# Altium PCB motherboard_V1.PcbDoc (continued)
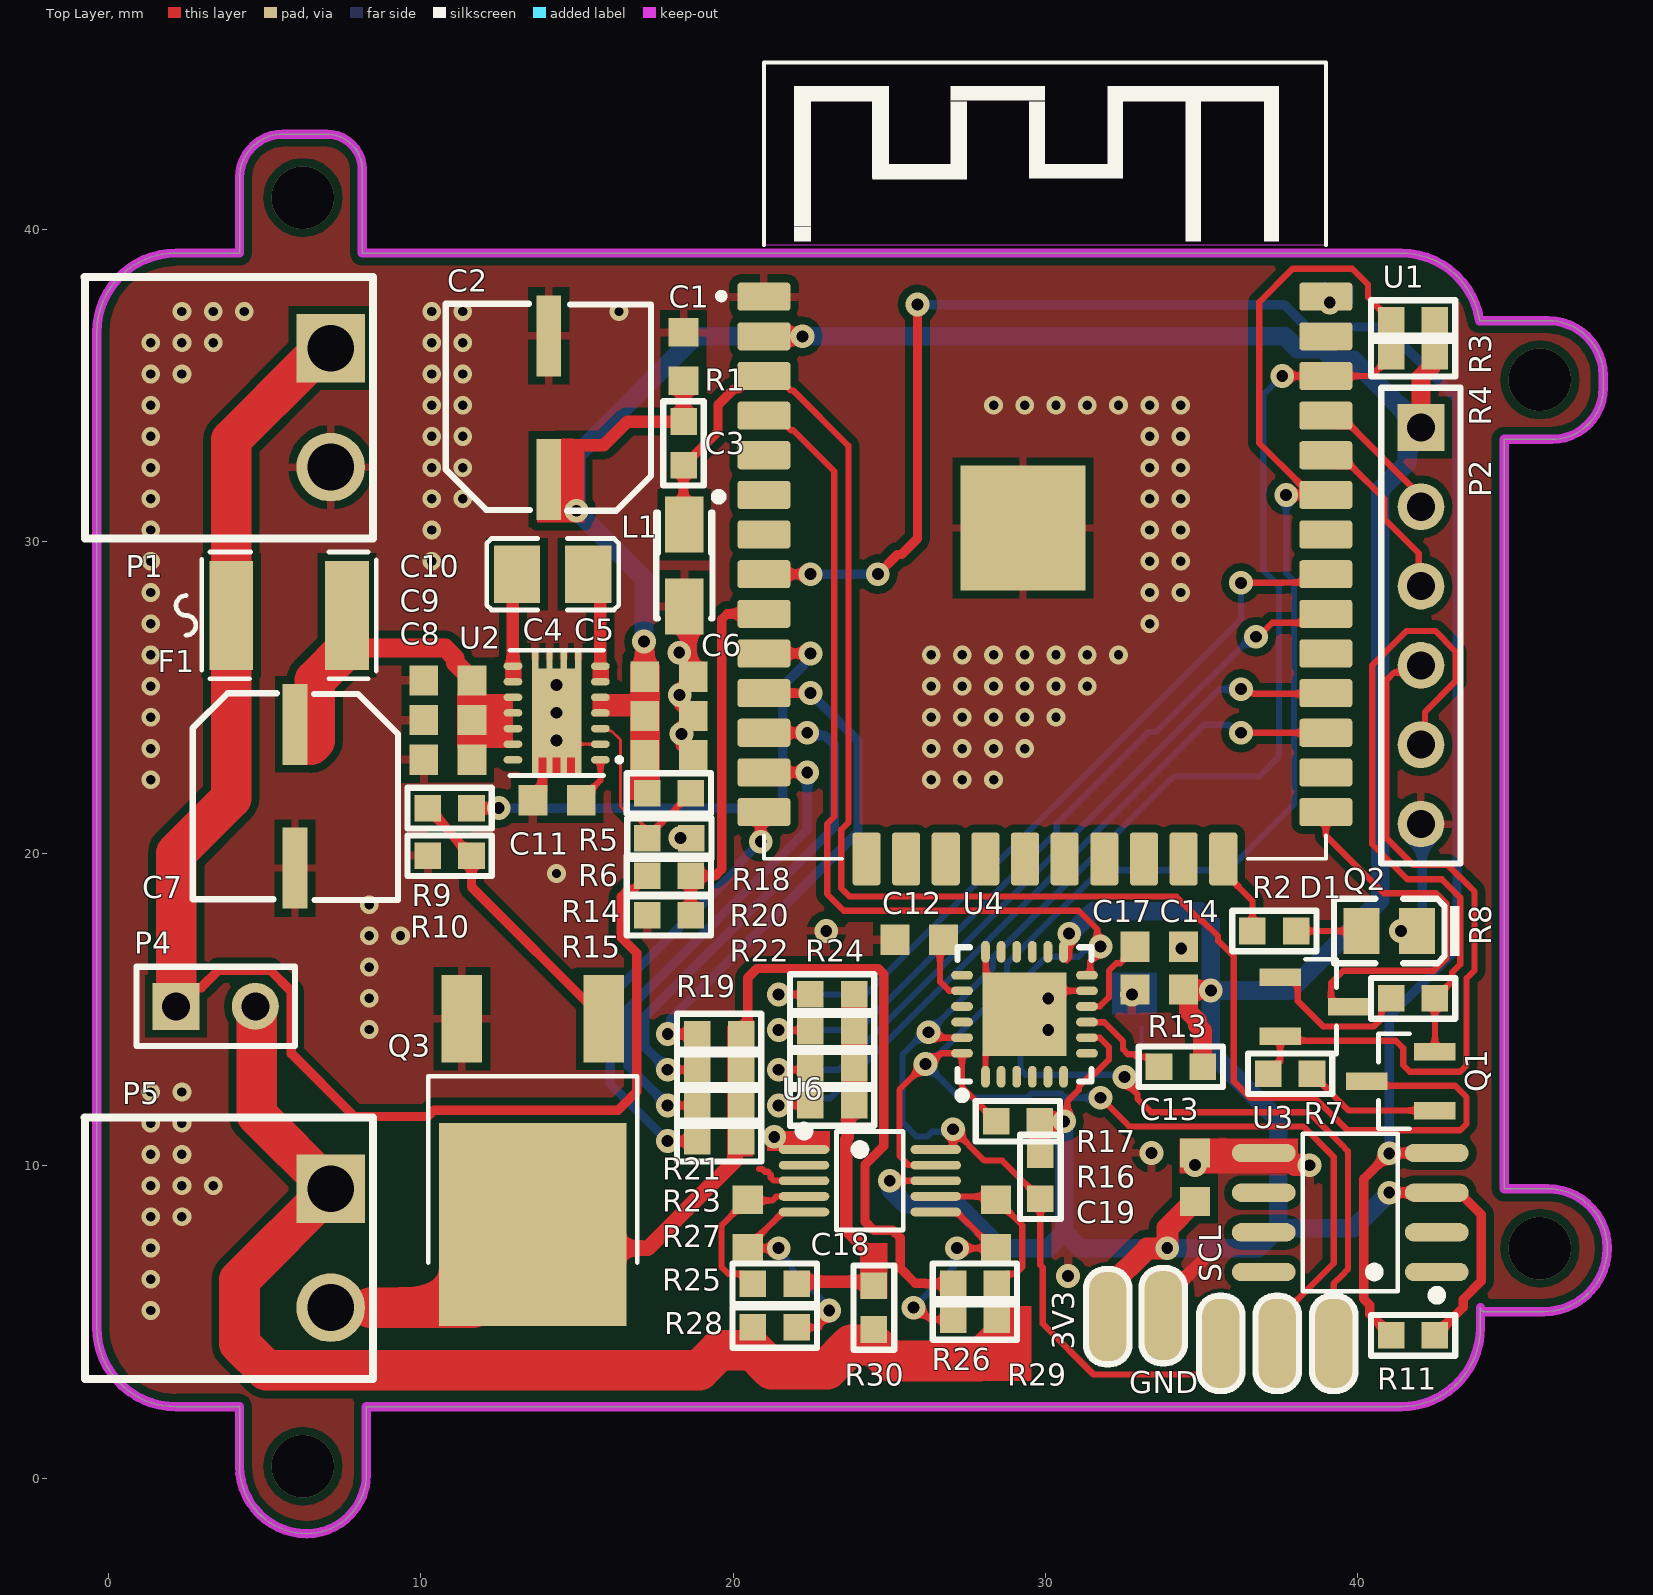
[diagram p0: Top Layer view]
## Part data
C1 C4 C5 C6 C8 C9 C10 C11 C12 C13 C14 C17: library part "CAP - CER 0.1UF 25V X7R 0805", "CAP CER 0.1UF 50V X7R 0603", Case/Package=0603, Manufacturer="FH(Guangdong Fenghua Advanced Tech)", Manufacturer Part Number=0603F104M500NT, Supplier Part Number 1=C42998, Voltage=50V, Capacitance=100nF, Depth=0.8mm, Height=0.8mm, Length=1.6mm, Pricing 1="1=0,10000, 10=0,04400, 50=0,02420, 100=0,01980, 500=0,01412, 1000=0,01110 (USD)", Supplier 1=JLCPCB, Thickness=0.035inch, Voltage Rating=50V, Width=0.031inch
C2: library part "CAP 22UF 63V SMD", "CAP ALUM 22UF 20% 25V SMD", Capacitance=47uF, Case/Package=SMD/SMT, Dielectric Material=Aluminium, Leakage Current=3uA, Manufacturer=Nichicon, Manufacturer Part Number=UWX1E220MCL1GB, Max Operating Temperature=85°C, Min Operating Temperature=-40°C, Package Quantity=1000, Ripple Current=42mA, Supplier Part Number 1=493-2109-1-ND, Tolerance=20%, Voltage=25V, Category="Aluminum Electrolytic Capacitors", ComponentLink1Description=https://datasheet.ciiva.com/96/e-wx-96336.pdf?src-supplier=Digi-Key, ComponentLink1URL=https://datasheet.ciiva.com/96/e-wx-96336.pdf?src-supplier=Digi-Key, ComponentLink2Description=https://datasheet.ciiva.com/16352/e-wx-16352999.pdf?src-supplier=Future+Electronics, ComponentLink2URL=https://datasheet.ciiva.com/16352/e-wx-16352999.pdf?src-supplier=Future+Electronics, ComponentLink3Description=https://datasheet.ciiva.com/28640/e-wx-28640455.pdf?src-supplier=Element14, ComponentLink3URL=https://datasheet.ciiva.com/28640/e-wx-28640455.pdf?src-supplier=Element14, ComponentLink4Description=https://datasheet.ciiva.com/17529/e-wx-17529096.pdf?src-supplier=Avnet+Europe, ComponentLink4URL=https://datasheet.ciiva.com/17529/e-wx-17529096.pdf?src-supplier=Avnet+Europe, ComponentLink5Description=https://datasheet.ciiva.com/7851/59577-7851769.pdf?src-supplier=Element14, ComponentLink5URL=https://datasheet.ciiva.com/7851/59577-7851769.pdf?src-supplier=Element14, ComponentLink6Description=https://datasheet.ciiva.com/11687/e-wx-11687963.pdf?src-supplier=Avnet, ComponentLink6URL=https://datasheet.ciiva.com/11687/e-wx-11687963.pdf?src-supplier=Avnet, ComponentLink7Description=https://datasheet.ciiva.com/96/e-wx-96334.pdf?src-supplier=Digi-Key, ComponentLink7URL=https://datasheet.ciiva.com/96/e-wx-96334.pdf?src-supplier=Digi-Key, ComponentLink8Description=https://datasheet.ciiva.com/5361/e-wx-11809-5361166.pdf?src-supplier=Mouser, ComponentLink8URL=https://datasheet.ciiva.com/5361/e-wx-11809-5361166.pdf?src-supplier=Mouser, ComponentLink9Description=https://datasheet.ciiva.com/96/e-wx-96335.pdf?src-supplier=Digi-Key, ComponentLink9URL=https://datasheet.ciiva.com/96/e-wx-96335.pdf?src-supplier=Digi-Key, Construction=Cylindrical, Contact Plating=Tin, Diameter=6.3mm, Dissipation Factor=0.14%, Height=5.4mm, Height - Seated (Max)=0.213inch, Lead Free="Lead Free", Lead Pitch=2.2mm, Length=5.4mm, Life (Hours)=2000Hour, Mount="Surface Mount", Packaging="Tape and Reel", Polarity=Polar, Pricing 1="1=0,36000, 10=0,25200, 50=0,17620, 100=0,15110, 500=0,11334 (USD)", Radiation Hardening=No, REACH SVHC="No SVHC", Ripple Current (AC)=42mA, RoHS=Yes, RoHS Compliant=Yes, Series=WX, Stock 1=5009, Supplier 1=Digi-Key, Termination=SMD/SMT, Voltage Rating=25V, Voltage Rating (DC)=25V, Weight=0.01lb, Width=0.25inch
C3: "Tantalum Capacitor", Capacitance=10µF, ESR (Equivalent Series Resistance)="7 Ohm", Lifetime @ Temp.="2000 Hrs @ 85°C", Manufacturer=Kemet, Manufacturer Part Number=T491A106K016AT, Manufacturer Size Code=A, Operating Temperature="-55°C ~ 125°C", Package / Case="1206 (3216 Metric)", Supplier Part Number 1=399-8269-1-ND, Tolerance=±10%, Voltage - Rated=16V, Category=Capacitors, ComponentLink1Description=http://www.kemet.com/Lists/ProductCatalog/Attachments/254/KEM_T2005_T491.pdf, ComponentLink1URL=http://www.kemet.com/Lists/ProductCatalog/Attachments/254/KEM_T2005_T491.pdf, Features="General Purpose", Height - Seated (Max)="0.071\" (1.80mm)", Lead Spacing=-, Mounting Type="Surface Mount", Packaging="Cut Tape (CT)", Pricing 1="1=0.41, 10=0.362, 50=0.2198, 100=0.181, 250=0.14476, 500=0.13184, 1000=0.11891 (USD)", RoHS="RoHS Compliant", Size / Dimension="0.126\" L x 0.063\" W (3.20mm x 1.60mm)", Stock 1=46669, Supplier 1=Digi-Key, Type=Molded
C7: library part "CAP 22UF 63V SMD", "CAP ALUM 22UF 20% 25V SMD", Capacitance=150uF, Case/Package=SMD/SMT, Dielectric Material=Aluminium, Leakage Current=3uA, Manufacturer=Nichicon, Manufacturer Part Number=UWX1E220MCL1GB, Max Operating Temperature=85°C, Min Operating Temperature=-40°C, Package Quantity=1000, Ripple Current=42mA, Supplier Part Number 1=493-2109-1-ND, Tolerance=20%, Voltage=25V, Category="Aluminum Electrolytic Capacitors", ComponentLink1Description=https://datasheet.ciiva.com/96/e-wx-96336.pdf?src-supplier=Digi-Key, ComponentLink1URL=https://datasheet.ciiva.com/96/e-wx-96336.pdf?src-supplier=Digi-Key, ComponentLink2Description=https://datasheet.ciiva.com/16352/e-wx-16352999.pdf?src-supplier=Future+Electronics, ComponentLink2URL=https://datasheet.ciiva.com/16352/e-wx-16352999.pdf?src-supplier=Future+Electronics, ComponentLink3Description=https://datasheet.ciiva.com/28640/e-wx-28640455.pdf?src-supplier=Element14, ComponentLink3URL=https://datasheet.ciiva.com/28640/e-wx-28640455.pdf?src-supplier=Element14, ComponentLink4Description=https://datasheet.ciiva.com/17529/e-wx-17529096.pdf?src-supplier=Avnet+Europe, ComponentLink4URL=https://datasheet.ciiva.com/17529/e-wx-17529096.pdf?src-supplier=Avnet+Europe, ComponentLink5Description=https://datasheet.ciiva.com/7851/59577-7851769.pdf?src-supplier=Element14, ComponentLink5URL=https://datasheet.ciiva.com/7851/59577-7851769.pdf?src-supplier=Element14, ComponentLink6Description=https://datasheet.ciiva.com/11687/e-wx-11687963.pdf?src-supplier=Avnet, ComponentLink6URL=https://datasheet.ciiva.com/11687/e-wx-11687963.pdf?src-supplier=Avnet, ComponentLink7Description=https://datasheet.ciiva.com/96/e-wx-96334.pdf?src-supplier=Digi-Key, ComponentLink7URL=https://datasheet.ciiva.com/96/e-wx-96334.pdf?src-supplier=Digi-Key, ComponentLink8Description=https://datasheet.ciiva.com/5361/e-wx-11809-5361166.pdf?src-supplier=Mouser, ComponentLink8URL=https://datasheet.ciiva.com/5361/e-wx-11809-5361166.pdf?src-supplier=Mouser, ComponentLink9Description=https://datasheet.ciiva.com/96/e-wx-96335.pdf?src-supplier=Digi-Key, ComponentLink9URL=https://datasheet.ciiva.com/96/e-wx-96335.pdf?src-supplier=Digi-Key, Construction=Cylindrical, Contact Plating=Tin, Diameter=6.3mm, Dissipation Factor=0.14%, Height=5.4mm, Height - Seated (Max)=0.213inch, Lead Free="Lead Free", Lead Pitch=2.2mm, Length=5.4mm, Life (Hours)=2000Hour, Mount="Surface Mount", Packaging="Tape and Reel", Polarity=Polar, Pricing 1="1=0,36000, 10=0,25200, 50=0,17620, 100=0,15110, 500=0,11334 (USD)", Radiation Hardening=No, REACH SVHC="No SVHC", Ripple Current (AC)=42mA, RoHS=Yes, RoHS Compliant=Yes, Series=WX, Stock 1=5009, Supplier 1=Digi-Key, Termination=SMD/SMT, Voltage Rating=25V, Voltage Rating (DC)=25V, Weight=0.01lb, Width=0.25inch
C18 C19: library part "CAP - CER 0.1UF 25V X7R 0805", "CAP CER 0.1UF 50V X7R 0603", Capacitance=100nF, Case/Package=0603, Manufacturer="FH(Guangdong Fenghua Advanced Tech)", Manufacturer Part Number=0603F104M500NT, Supplier Part Number 1=C42998, Voltage=50V, Depth=0.8mm, Height=0.8mm, Length=1.6mm, Pricing 1="1=0,10000, 10=0,04400, 50=0,02420, 100=0,01980, 500=0,01412, 1000=0,01110 (USD)", Supplier 1=JLCPCB, Thickness=0.035inch, Voltage Rating=50V, Width=0.031inch
D1: library part "0805 LED White", "LED", Color=White, Package=0805, SuppliersPartNumber=C34499, ComponentLink1Description=供应商链接, ComponentLink1URL=http://www.szlcsc.com/product/details_35468.html, Supplier=LC
F1: "C12559", BOM_JLCPCB Part Class="Extended Part", BOM_Manufacturer=RUILON, BOM_Manufacturer Part=SMD1812P050TF, BOM_Supplier=LCSC, BOM_Supplier Part=C12558, spicePre=F, spiceSymbolName=SMD1812P050TF
L1: "C393989"
P1 P5: "C8387", BOM_JLCPCB Part Class="Extended Part", BOM_Manufacturer=ReliaPro, BOM_Manufacturer Part=WJ15EDGRC-3.81-2P, BOM_Supplier=LCSC, BOM_Supplier Part=C8387, spicePre=X, spiceSymbolName=WJ15EDGRC-3.81-2P
P2: "Header, 6-Pin", LatestRevisionDate=17-Jul-2002, LatestRevisionNote="Re-released for DXP Platform.", Publisher="Altium Limited"
P4: library part "Header 2", "Header, 2-Pin", LatestRevisionDate=17-Jul-2002, LatestRevisionNote="Re-released for DXP Platform.", Publisher="Altium Limited"
Q1 Q2: library part NPN, "NPN Bipolar Transistor", Code_JEDEC=TO-226-AA, LatestRevisionDate=17-Jul-2002, LatestRevisionNote="Re-released for DXP Platform.", PackageDescription="TO, Flat Index; 3 In-Line, Axial Leads; Body Dia. 4.8mm; Leads 0.55 x 0.51 mm (max)", PackageReference=TO-226-AA, Published=8-Jun-2000, Publisher="Altium Limited"
Q3: BOM_JLCPCB Part Class="Extended Part", BOM_Manufacturer=FAIRCHILD, BOM_Manufacturer Part=FQD13N10LTM, BOM_Supplier=LCSC, BOM_Supplier Part=C37552, spicePre=Q, spiceSymbolName=FQD13N10LTM
R1: "Res Thick Film 0603 1M Ohm 1% 0.1W(1/10W) ±100ppm/C Pad SMD T/R", Case Code (Imperial)=0603, Manufacturer="TE Connectivity", Manufacturer Part Number=CRG0603F1M0, Max Operating Temperature=125°C, Max Power Dissipation=100mW, Min Operating Temperature=-55°C, Number of Resistors=1, Package Quantity=5000, Resistance=18k, Resistor Type="Thick Film", Supplier Part Number 1=A121559CT-ND, Temperature Coefficient=100ppm/°C, Tolerance=1%, Voltage Rating=50V, Case/Package=0603, Category="Chip SMD Resistors", Construction=Rectangular, Depth=0.8mm, ELV=Compliant, Height=0.45mm, Lead Free="Lead Free", Length=1.6mm, Military Standard=Not, Mount="Surface Mount", Number of Terminations=2, Packaging="Tape and Reel", Power Rating=100mW, Pricing 1="1=0,10000, 10=0,02800, 100=0,01130, 1000=0,00506, 2500=0,00439 (USD)", Radiation Hardening=No, RoHS=Yes, RoHS Compliant=Yes, Series="CRG, Neohm", Stock 1=32347, Supplier 1=Digi-Key, Technology="THICK FILM", Termination=Solder, Weight=7.1E-05oz, Width=0.8mm
R2: "Res Thick Film 0603 1M Ohm 1% 0.1W(1/10W) ±100ppm/C Pad SMD T/R", Case Code (Imperial)=0603, Manufacturer="TE Connectivity", Manufacturer Part Number=CRG0603F1M0, Max Operating Temperature=125°C, Max Power Dissipation=100mW, Min Operating Temperature=-55°C, Number of Resistors=1, Package Quantity=5000, Resistance=220, Resistor Type="Thick Film", Supplier Part Number 1=A121559CT-ND, Temperature Coefficient=100ppm/°C, Tolerance=1%, Voltage Rating=50V, Case/Package=0603, Category="Chip SMD Resistors", Construction=Rectangular, Depth=0.8mm, ELV=Compliant, Height=0.45mm, Lead Free="Lead Free", Length=1.6mm, Military Standard=Not, Mount="Surface Mount", Number of Terminations=2, Packaging="Tape and Reel", Power Rating=100mW, Pricing 1="1=0,10000, 10=0,02800, 100=0,01130, 1000=0,00506, 2500=0,00439 (USD)", Radiation Hardening=No, RoHS=Yes, RoHS Compliant=Yes, Series="CRG, Neohm", Stock 1=32347, Supplier 1=Digi-Key, Technology="THICK FILM", Termination=Solder, Weight=7.1E-05oz, Width=0.8mm
R3 R4 R11 R16 R17: library part "Res 1k ±1% 0.063W 0402", Manufacturer="UNI-ROYAL(Uniroyal Elec)", Manufacturer Part Number=0603WAJ0472T5E, Package / Case=0603, Resistance=3.3k, Supplier Part Number 1=C25999, ComponentLink1URL=https://lcsc.com/product-detail/Chip-Resistor-Surface-Mount_Resistor-Today-AECR0402F1K00K9_C328304.html, Supplier 1=JLCPCB
R5: library part "Res 1k ±1% 0.063W 0402", Manufacturer="UNI-ROYAL(Uniroyal Elec)", Manufacturer Part Number=0603WAJ0472T5E, Package / Case=0603, Resistance=1.02M, Supplier Part Number 1=C25999, ComponentLink1URL=https://lcsc.com/product-detail/Chip-Resistor-Surface-Mount_Resistor-Today-AECR0402F1K00K9_C328304.html, Supplier 1=JLCPCB
R6: library part "Res 1k ±1% 0.063W 0402", Manufacturer="UNI-ROYAL(Uniroyal Elec)", Manufacturer Part Number=0603WAJ0472T5E, Package / Case=0603, Resistance=182k, Supplier Part Number 1=C25999, ComponentLink1URL=https://lcsc.com/product-detail/Chip-Resistor-Surface-Mount_Resistor-Today-AECR0402F1K00K9_C328304.html, Supplier 1=JLCPCB
R7 R8: library part 1, "Res Thkflm Anti-sulfurated 0603 100K Ohm 5% SMD", Case Code (Imperial)=0603, Case Code (Metric)=1608, Current Rating=1A, Manufacturer=Panasonic, Manufacturer Part Number=ERJ-U03J104V, Max Operating Temperature=155°C, Min Operating Temperature=-55°C, Package Quantity=5000, Power Rating=100mW, Resistance=12K, Resistor Type="Thick Film", Supplier Part Number 1=10-ERJ-U03J104VCT-ND, Tolerance=5%, Voltage Rating=75V, Case/Package=0603, Category="Chip SMD Resistors", ComponentLink1Description=http://industrial.panasonic.com/www-cgi/jvcr13pz.cgi?E+PZ+3+AOA0005+ERJS06J821V+7+WW?src-supplier=Mouser, ComponentLink1URL=http://industrial.panasonic.com/www-cgi/jvcr13pz.cgi?E+PZ+3+AOA0005+ERJS06J821V+7+WW?src-supplier=Mouser, ComponentLink2Description=http://datasheet.octopart.com/ERJ-U03J104V-Panasonic-datasheet-61627662.pdf?src-supplier=Newark, ComponentLink2URL=http://datasheet.octopart.com/ERJ-U03J104V-Panasonic-datasheet-61627662.pdf?src-supplier=Newark, ComponentLink3Description=http://datasheet.octopart.com/ERJ-U03J104V-Panasonic-datasheet-33006993.pdf?src-supplier=Newark, ComponentLink3URL=http://datasheet.octopart.com/ERJ-U03J104V-Panasonic-datasheet-33006993.pdf?src-supplier=Newark, ComponentLink4Description=http://datasheet.octopart.com/ERJ-U03J104V-Panasonic-datasheet-78375410.pdf, ComponentLink4URL=http://datasheet.octopart.com/ERJ-U03J104V-Panasonic-datasheet-78375410.pdf, Height=0.45mm, Length=1.6mm, Packaging="Tape and Reel", Pricing 1="1=0,10000, 10=0,07700, 100=0,02950, 1000=0,01298, 2500=0,01121 (USD)", Stock 1=1856, Supplier 1=Digi-Key, Termination=SMD/SMT, Voltage Rating (DC)=75V, Weight=7.1E-05oz, Width=0.8mm
R9: library part "Res 1k ±1% 0.063W 0402", Manufacturer="UNI-ROYAL(Uniroyal Elec)", Manufacturer Part Number=0603WAJ0472T5E, Package / Case=0603, Resistance=270, Supplier Part Number 1=C25999, ComponentLink1URL=https://lcsc.com/product-detail/Chip-Resistor-Surface-Mount_Resistor-Today-AECR0402F1K00K9_C328304.html, Supplier 1=JLCPCB
R10: library part "Res 1k ±1% 0.063W 0402", Manufacturer="UNI-ROYAL(Uniroyal Elec)", Manufacturer Part Number=0603WAJ0472T5E, Package / Case=0603, Resistance=10k, Supplier Part Number 1=C25999, ComponentLink1URL=https://lcsc.com/product-detail/Chip-Resistor-Surface-Mount_Resistor-Today-AECR0402F1K00K9_C328304.html, Supplier 1=JLCPCB
R13: library part "Res 1k ±1% 0.063W 0402", Manufacturer="UNI-ROYAL(Uniroyal Elec)", Manufacturer Part Number=0603WAJ0472T5E, Package / Case=0603, Resistance=220, Supplier Part Number 1=C25999, ComponentLink1URL=https://lcsc.com/product-detail/Chip-Resistor-Surface-Mount_Resistor-Today-AECR0402F1K00K9_C328304.html, Supplier 1=JLCPCB
R14 R15: "Res Thick Film 0603 1M Ohm 1% 0.1W(1/10W) ±100ppm/C Pad SMD T/R", Case Code (Imperial)=0603, Manufacturer="TE Connectivity", Manufacturer Part Number=CRG0603F1M0, Max Operating Temperature=125°C, Max Power Dissipation=100mW, Min Operating Temperature=-55°C, Number of Resistors=1, Package Quantity=5000, Resistance=100k, Resistor Type="Thick Film", Supplier Part Number 1=A121559CT-ND, Temperature Coefficient=100ppm/°C, Tolerance=1%, Voltage Rating=50V, Case/Package=0603, Category="Chip SMD Resistors", Construction=Rectangular, Depth=0.8mm, ELV=Compliant, Height=0.45mm, Lead Free="Lead Free", Length=1.6mm, Military Standard=Not, Mount="Surface Mount", Number of Terminations=2, Packaging="Tape and Reel", Power Rating=100mW, Pricing 1="1=0,10000, 10=0,02800, 100=0,01130, 1000=0,00506, 2500=0,00439 (USD)", Radiation Hardening=No, RoHS=Yes, RoHS Compliant=Yes, Series="CRG, Neohm", Stock 1=32347, Supplier 1=Digi-Key, Technology="THICK FILM", Termination=Solder, Weight=7.1E-05oz, Width=0.8mm
R18 R19 R20 R21 R22 R23 R24 R27: library part "Res 1k ±1% 0.063W 0402", Manufacturer="UNI-ROYAL(Uniroyal Elec)", Manufacturer Part Number=0603WAJ0472T5E, Package / Case=0603, Resistance=30, Supplier Part Number 1=C25999, ComponentLink1URL=https://lcsc.com/product-detail/Chip-Resistor-Surface-Mount_Resistor-Today-AECR0402F1K00K9_C328304.html, Supplier 1=JLCPCB
R25 R26 R28 R29: library part "Res 1k ±1% 0.063W 0402", Manufacturer="UNI-ROYAL(Uniroyal Elec)", Manufacturer Part Number=0603WAJ0472T5E, Package / Case=0603, Resistance=1k, Supplier Part Number 1=C25999, ComponentLink1URL=https://lcsc.com/product-detail/Chip-Resistor-Surface-Mount_Resistor-Today-AECR0402F1K00K9_C328304.html, Supplier 1=JLCPCB
R30: library part "Res 1k ±1% 0.063W 0402", Manufacturer="UNI-ROYAL(Uniroyal Elec)", Manufacturer Part Number=0603WAJ0472T5E, Package / Case=0603, Resistance=10, Supplier Part Number 1=C25999, ComponentLink1URL=https://lcsc.com/product-detail/Chip-Resistor-Surface-Mount_Resistor-Today-AECR0402F1K00K9_C328304.html, Supplier 1=JLCPCB
U1: library part "ESP 32"
U2: "C15483"
U3: "C695837", BOM_JLCPCB Part Class="Extended Part", BOM_Manufacturer=MAXIM, BOM_Manufacturer Part=DS18B20Z+T&R, BOM_Supplier=LCSC, BOM_Supplier Part=C97190, Contributor=LCSC, spicePre=U, spiceSymbolName=DS18B20Z+T&amp;amp;R
U4: library part MPU-6050_[C24112], "传感器", Package=QFN-24_4x4x05P, SuppliersPartNumber=C24112, ComponentLink1Description=供应商链接, ComponentLink1URL=http://www.szlcsc.com/product/details_24852.html, Supplier=LC
U6: "C37593", BOM_JLCPCB Part Class="Extended Part", BOM_Manufacturer=TI, BOM_Manufacturer Part=ADS1115IDGSR, BOM_Supplier=LCSC, BOM_Supplier Part=C37593, spicePre=U, spiceSymbolName=ADS1115IDGSR

## Free pads (board coordinates)
  oval 1.5x3 smd: P1(32.004,5.173) P2(33.782,5.207) P3(35.623,4.318) P4(37.433,4.318) P5(39.243,4.318)

## Via types
v1: diameter 0.6, hole 0.3, Top Layer to Bottom Layer, tented both sides, 104 vias
v2: diameter 0.762, hole 0.381, Top Layer to Bottom Layer, tented both sides, 62 vias
v3: diameter 2, hole 2, Top Layer to Bottom Layer, 4 vias

## Nets (pads, with @x,y where several pads share a name; then routed paths per layer and width w, separated by ;. In a path a pad name is that pad's centre, name@x,y a point inside that pad or via, vN(x,y) a via of type N, cw(c..) or ccw(c..) an arc to the next point about the centre after c; other vN are vias at no path point)
+3V3: C1.1 C2.1 C4.1 C5.1 C6.1 C13.1 C14.2 P2.1 pad.P1 R1.1 R3.1 R4.1 R5.1 R11.1 R13.2 R16.1 R17.1 U1.1 U2.4 U2.5 U3.3 U4.8 U4.13 U6.8 | length 134.2
  Top Layer w0.2: v2(25.019,9.525) U6.8 ; v2(30.607,11.43) 30.715,11.538 30.715,12.078 31.081,12.444 31.081,12.538 31.514,12.971 31.608,12.971 32.041,13.404 32.041,13.814 31.752,14.103 31.343,14.103 U4.8 ; U4.13@30.687,16.59 30.767,16.67 v2(30.767,17.44) ; R13.2 R13.2@35.12,13.254
  Top Layer w0.3: v2(41.021,9.144) U3.3 43.273,9.144 43.972,8.446 43.972,6.315 43.388,5.731 43.388,5.477 R11.1
  Top Layer w0.4: C2.1 14.097,32.89 14.297,33.09 15.865,33.09 16.622,33.847 R1.1 C1.1
  Top Layer w0.6: v2(17.145,26.797) 17.173,26.797 C4.1 ; U1.1 v2(22.225,36.576) ; R16.1 29.836,10.361 29.836,11.422 R17.1 v2(30.607,11.43) ; C14.2@34.392,15.614 34.415,15.636 C14.2@34.445,15.636 ; C14.2 C14.2@34.445,15.636 ; R13.2 35.041,13.183 35.041,14.341 34.877,14.505 34.877,14.653 34.59,14.94 34.59,15.491 C14.2@34.445,15.636 ; v2(35.306,15.621) 35.291,15.636 C14.2@34.445,15.636 ; P2.1 42.037,35.262 42.358,35.583 42.358,35.816 R4.1 R3.1
  Top Layer w0.7: pad.P1 32.004,6.094 33.264,7.354 33.897,7.354 v2(33.909,7.366) 33.921,7.378 33.921,8.012 34.773,8.864 C13.1
  Bottom Layer w0.6: v2(17.145,26.797) 17.145,28.829 v2(14.986,30.988) 14.986,32.766 18.796,36.576 v2(22.225,36.576) 37.676,36.576 38.08,36.172 38.885,36.172 39.243,35.814 39.878,35.814 P2.1 41.599,33.217 41.599,32.521 40.733,31.655 40.733,18.508 37.846,15.621 v2(35.306,15.621) ; v2(25.019,9.525) 25.05,9.494 25.05,9.24 25.527,8.763 27.178,8.763 28.575,7.366 30.099,7.366 30.607,7.874 ; v2(30.607,11.43) 30.607,7.874 ; v2(30.767,17.44) 30.811,17.44 31.532,18.161 34.955,18.161 35.306,17.81 v2(35.306,15.621) ; v2(41.021,9.144) 39.878,8.001 37.465,8.001 ; 30.607,7.874 31.115,7.366 v2(33.909,7.366) 36.83,7.366 37.465,8.001 ; v2(35.306,15.621) 35.306,13.641 37.465,11.482 37.465,8.001
BAT_MON: R14.2 R15.1 U1.8 | length 11.5
  Top Layer w0.3: R15.1@18.648,18.288 R14.2 19.418,19.291 19.635,19.508 19.635,27.509 19.812,27.686 U1.8
DRIVA_1: R18.1 U1.30 | length 24.8
  Top Layer w0.2: v2(21.463,15.494) R18.1 ; v2(36.276,28.679) 37.625,28.679 37.638,28.692 38.725,28.692 U1.30
  Bottom Layer w0.2: v2(21.463,15.494) 24.257,15.494 36.276,27.513 v2(36.276,28.679)
DRIVA_2: R20.1 U1.29 | length 24.2
  Top Layer w0.2: v2(21.463,14.351) 22.434,14.351 R20.1 ; v2(36.755,26.953) 36.829,26.953 37.273,27.398 38.701,27.398 U1.29
  Bottom Layer w0.2: v2(21.463,14.351) 24.01,14.351 30.366,20.707 30.366,20.961 33.308,23.903 33.562,23.903 36.612,26.953 v2(36.755,26.953)
DRIVA_3: R22.1 U1.27 | length 23.7
  Top Layer w0.2: v2(21.463,13.081) 22.434,13.081 R22.1 ; v2(36.276,25.273) 36.384,25.165 36.634,25.165 36.674,25.125 38.968,25.125 U1.27
  Bottom Layer w0.2: v2(21.463,13.081) 23.382,13.081 35.574,25.273 v2(36.276,25.273)
DRIVA_4: R24.1 U1.26 | length 23.7
  Top Layer w0.2: v2(21.463,11.938) R24.1 ; v2(36.276,23.876) U1.26
  Bottom Layer w0.2: v2(21.463,11.938) 21.615,11.938 21.848,12.171 23.114,12.171 35.073,24.13 35.87,24.13 36.124,23.876 v2(36.276,23.876)
DRIVB_1: R19.2 U1.10 | length 16.5
  Top Layer w0.3: v2@17.91,14.223 R19.2 ; U1.10 21.989,25.146 v2(22.479,25.146)
  Bottom Layer w0.3: v2(17.91,14.223) 17.998,14.311 17.998,14.696 24.003,20.701 24.003,23.622 v2(22.479,25.146)
DRIVB_2: R21.2 U1.11 | length 16.6
  Top Layer w0.2: v2(17.907,13.081) R21.2
  Top Layer w0.3: U1.11 v2(22.379,23.876)
  Bottom Layer w0.3: v2(17.907,13.081) 17.175,13.813 17.175,14.783 23.241,20.849 23.241,23.495 22.948,23.788 22.467,23.788 v2(22.379,23.876)
DRIVB_3: R23.2 U1.12 | length 15.9
  Top Layer w0.2: v2(17.907,11.938) R23.2
  Top Layer w0.3: U1.12 v2(22.379,22.606)
  Bottom Layer w0.3: v2(17.907,11.938) 16.621,13.224 16.621,15.013 22.379,20.771 v2(22.379,22.606)
DRIVB_4: R27.2 U1.13 | length 14.3
  Top Layer w0.3: v2(17.907,10.795) R27.2 ; v2(20.886,20.389) 20.886,21.233 U1.13
  Bottom Layer w0.3: v2(17.907,10.795) 16.067,12.635 16.067,15.432 20.193,19.558 20.193,19.695 v2(20.886,20.389)
DTR: P2.4 Q2.2 R7.2 | length 23.8
  Top Layer w0.2: R7.2 37.528,13.336 Q2.2 37.675,14.012 41.233,14.012 41.468,13.777 41.468,13.227 41.675,13.02 43.289,13.02 43.497,13.227 43.497,16.012 43.753,16.268 43.753,18.784 42.896,19.641 41.79,19.641 40.933,20.498 40.933,25.566 41.177,25.81 41.812,25.81 P2.4
EN: C3.1 Q1.3 R1.2 U1.2 | length 54.1
  Top Layer w0.2: U1.2 21.389,35.306 21.855,34.84 21.928,34.84 23.695,33.073 23.695,21 23.47,20.775 23.47,18.897 23.738,18.629 34.203,18.629 34.975,17.857 35.037,17.857 35.539,17.355 35.539,17.213 36.041,16.711 36.041,12.708 36.574,12.175 38.648,12.175 39.683,11.14 43.289,11.14 43.497,11.347 43.497,12.199 43.13,12.566 40.445,12.566 Q1.3
  Top Layer w0.3: C3.1 18.415,30.571 R1.2 18.69,32.722 18.711,32.722 19.518,33.529 19.518,34.379 20.03,34.89 20.173,34.89 20.589,35.306 U1.2
GND: C1.2 C2.2 C3.2 C4.2 C5.2 C6.2 C7.2 C8.2 C9.2 C10.2 C11.2 C12.1 C13.2 C14.1 C17.2 D1.K P1.2 P2.6 pad.P2 Q3.3 R6.2 R10.2 R15.2 U1.0 U1.37 U1.38 U2.2 U2.15 U2.16 U2.17 U2.18 U2.19 U2.20 U2.21 U2.22 U2.23 U3.5 U4.0 U4.1 U4.11 U4.18 U6.1 U6.3 | length 27.8
  Top Layer w0.1: v2(14.348,23.629) 14.466,23.511 U2.2
  Top Layer w0.2: 20.828,9.906 20.928,9.906 21.022,9.812 21.119,9.812 21.209,9.722 21.209,9.625 21.303,9.531 22.268,9.531 U6.3 ; U4.1 28.087,13.502 28.097,13.512 28.097,13.619 U4.0 ; U4.18 28.093,16.853 28.093,16.444 28.097,16.44 28.097,16.099 28.829,15.367 v2(30.099,15.367) 30.341,15.609 U4.11 ; C13.2 U3.5
  Top Layer w0.3: C11.2 13.899,22.027 13.899,22.489 14.121,22.711 U2.18
  Top Layer w0.4: pad.P2 33.782,5.715 35.052,6.985
  Top Layer w0.5: v2@18.215,25.078 18.227,25.078 18.341,24.964 18.341,24.819 18.723,24.436 C5.2 18.723,24.386 18.401,24.064 18.401,23.893 v2(18.351,23.843) 18.401,23.793 18.401,23.501 18.723,23.179 C6.2 ; v2(18.291,25.085) 18.341,25.136 18.341,25.261 18.723,25.643 C4.2 18.582,25.81 18.582,27.784 C3.2
  Top Layer w0.7: U3.5 37.616,10.414 37.997,10.033 38.457,10.033 v2(38.469,10.021)
  Bottom Layer w0.2: 38.989,38.227 39.008,38.208 39.008,37.769 v2(39.116,37.661)
  Bottom Layer w0.3: P2.6 42.073,20.918 42.073,17.022 42.11,16.985
  Bottom Layer w0.4: v2(33.401,10.414) v2@33.499,10.414
  other v1: 1.346,5.37 1.346,6.37 1.346,7.37 1.346,8.37 2.346,8.37 1.346,9.37 2.346,9.37 3.346,9.37 1.346,10.37 2.346,10.37 1.346,11.37 2.346,11.37 1.346,12.37 2.346,12.37 8.346,14.37 8.346,15.37 8.346,16.37 8.346,17.37 9.346,17.37 8.346,18.37 14.346,19.37 1.346,22.37 26.346,22.37 27.346,22.37 28.346,22.37 1.346,23.37 26.346,23.37 27.346,23.37 28.346,23.37 29.346,23.37 1.346,24.37 26.346,24.37 27.346,24.37 28.346,24.37 29.346,24.37 30.346,24.37 1.346,25.37 26.346,25.37 27.346,25.37 28.346,25.37 29.346,25.37 30.346,25.37 31.346,25.37 1.346,26.37 26.346,26.37 27.346,26.37 28.346,26.37 29.346,26.37 30.346,26.37 31.346,26.37 32.346,26.37 1.346,27.37 33.346,27.37 1.346,28.37 33.346,28.37 34.346,28.37 1.346,29.37 10.346,29.37 33.346,29.37 34.346,29.37 1.346,30.37 10.346,30.37 33.346,30.37 34.346,30.37 1.346,31.37 10.346,31.37 11.346,31.37 33.346,31.37 34.346,31.37 1.346,32.37 10.346,32.37 11.346,32.37 33.346,32.37 34.346,32.37 1.346,33.37 10.346,33.37 11.346,33.37 33.346,33.37 34.346,33.37 1.346,34.37 10.346,34.37 11.346,34.37 28.346,34.37 29.346,34.37 30.346,34.37 31.346,34.37 32.346,34.37 33.346,34.37 34.346,34.37 1.346,35.37 2.346,35.37 10.346,35.37 11.346,35.37 1.346,36.37 2.346,36.37 3.346,36.37 10.346,36.37 11.346,36.37 2.346,37.37 3.346,37.37 4.346,37.37 10.346,37.37 11.346,37.37 16.346,37.37
  other v2: 30.734,6.477 34.798,10.033 21.319,10.932 30.099,14.351 32.776,15.494 34.359,16.967 22.987,17.526 41.402,17.526 18.318,20.506 14.348,24.518 14.348,25.407 18.278,26.441
GPIO0: Q2.3 U1.24 | length 12.5
  Top Layer w0.2: U1.24 38.989,20.586 40.842,18.733 42.52,18.733 42.845,18.408 42.845,16.644 42.451,16.25 39.546,16.25 39.152,15.856 39.152,15.279 39.331,15.1 Q2.3
INT: pad.P5 U1.3 U4.12 | length 51.4
  Top Layer w0.2: U1.3 21.389,34.036 21.855,33.57 21.928,33.57 23.241,32.257 23.241,21.188 23.016,20.963 23.016,18.709 23.55,18.175 31.072,18.175 31.666,17.581 31.666,17.137 v2(31.773,17.03) ; U4.12 31.408,16.109 31.445,16.146 31.445,16.549 31.831,16.935 v2@31.831,16.972 ; v2(32.539,12.848) 32.539,12.715 32.954,12.3 32.954,12.159 33.391,11.721 38.19,11.721 38.451,11.721 39.497,10.675 39.697,10.475 39.697,6.69 39.497,6.49 39.243,6.236 pad.P5
  Bottom Layer w0.2: v2(31.773,17.03) 31.666,16.922 31.289,16.922 31.072,16.705 30.04,16.705 29.21,15.875 29.21,13.081 29.371,12.92 32.467,12.92 v2(32.539,12.848)
LED: R2.2 U1.23 | length 2.7
  Top Layer w0.2: U1.23 35.704,19.436 36.638,18.502 R2.2
NetC11_1: C11.1 U2.1 | length 1.5
  Top Layer w0.2: C11.1 15.139,21.742 15.751,22.354 U2.1
NetC12_2: C12.2 U4.20 | length 2
  Top Layer w0.2: C12.2@26.739,16.992 26.633,16.886 26.633,15.904 26.922,15.615 27.331,15.615 U4.20
NetC17_1: C17.1 U4.10 | length 2.9
  Top Layer w0.2: U4.10 31.343,15.115 31.752,15.115 32.041,15.404 32.041,16.258 32.273,16.49 32.403,16.49 32.52,16.607 32.52,16.658 C17.1
NetC18_1: C18.1 R25.2 U6.4 | length 5.6
  Top Layer w0.2: R25.2 20.311,6.548 19.845,6.548 19.634,6.759 19.634,8.102 20.448,8.916 C18.1 20.499,8.89 21.258,8.89 21.387,9.019 22.268,9.019 U6.4
NetC18_2: C18.2 R28.2 U6.5 | length 7.3
  Top Layer w0.2: C18.2 C18.2@20.498,7.366 ; v2(21.463,7.366) C18.2@20.498,7.366 ; R28.2 22.761,4.826 22.761,4.898 23.082,5.219 v2(23.082,5.371) ; U6.5 21.604,8.525 20.858,7.779 20.858,7.726 C18.2@20.498,7.366
  Bottom Layer w0.2: v2(21.463,7.366) 21.463,7.253 21.888,6.828 21.888,6.687 23.082,5.493 v2(23.082,5.371)
NetC19_1: C19.1 R26.2 U6.7 | length 5.5
  Top Layer w0.2: U6.7 28.313,9.025 C19.1 28.447,8.916 29.261,8.102 29.261,6.759 29.05,6.548 28.773,6.548 R26.2
NetC19_2: C19.2 R29.2 U6.6 | length 7.6
  Top Layer w0.2: v2(25.781,5.461) 25.933,5.461 26.314,5.08 R29.2 ; U6.6 27.164,8.525 27.963,7.726 28.062,7.726 C19.2 v2(27.178,7.366)
  Bottom Layer w0.2: v2(25.781,5.461) 27.07,6.75 27.07,7.258 v2(27.178,7.366)
NetD1_A: D1.A R2.1 | length 2.1
  Top Layer w0.2: R2.1 D1.A
NetL1_1: L1.1 U2.8 U2.9 | length 3
  Top Layer w0.4: U2.8 12.951,28.825 L1.1
NetL1_2: L1.2 U2.6 U2.7 | length 3.1
  Top Layer w0.4: L1.2 15.751,28.572 U2.7
NetP2_2: P2.2 U1.34 | length 4.5
  Top Layer w0.2: U1.34 39.339,33.686 39.812,33.686 42.037,31.461 P2.2
NetP2_3: P2.3 U1.33 | length 5.7
  Top Layer w0.2: U1.33 39.339,32.416 39.812,32.416 40.858,31.37 40.858,30.733 41.966,29.625 41.966,28.646 P2.3
NetQ1_1: Q1.1 R7.1 | length 4.4
  Top Layer w0.2: R7.1 39.727,11.773 Q1.1
NetQ2_1: Q2.1 R8.1 | length 5.1
  Top Layer w0.2: Q2.1 37.909,16.04 38.088,15.86 38.088,15.283 38.905,14.466 40.519,14.466 40.758,14.705 40.758,15.042 R8.1
NetQ3_1: Q3.1 R9.2 R10.1 | length 9.8
  Top Layer w0.3: R9.2 10.497,21.188 11.347,20.214 R10.1 11.622,18.94 15.862,14.7 Q3.1@15.862,13.95
NetR5_2: R5.2 R6.1 U2.3 | length 6.1
  Top Layer w0.1: U2.3 15.969,24.011 16.045,23.935 16.107,23.935 16.394,23.648 16.394,21.507 16.724,21.178 16.873,21.178 R6.1@17.248,20.803
  Top Layer w0.2: R6.1 17.583,20.815 17.583,20.867 R5.2
NetR13_1: R13.1 U4.9 | length 3
  Top Layer w0.2: U4.9@31.343,14.603 31.894,14.603 32.495,14.002 32.495,13.733 32.651,13.577 32.849,13.577 32.922,13.504 33.32,13.504 R13.1
NetR18_2: R18.2 R20.2 R22.2 R24.2 R25.1 R30.1 | length 8.6
  Top Layer w0.4: R25.1 22.109,6.296 24.26,6.296 24.26,6.223 24.511,6.474 24.511,7.08 23.622,7.969 23.622,10.858 23.676,10.913 23.676,11.738 R24.2
NFET_GATE: R9.1 U1.9 | length 16.7
  Top Layer w0.3: R9.1 v2(12.494,21.463) ; U1.9 v2(22.479,26.416)
  Bottom Layer w0.3: v2(12.494,21.463) 21.418,21.463 21.594,21.639 21.594,25.371 22.271,26.048 22.271,26.083 22.479,26.291 v2(22.479,26.416)
ONEWIRE: R11.2 U1.7 U3.4 | length 64.6
  Top Layer w0.3: U1.7 v2(22.479,28.956) ; v2(24.638,28.956) 25.268,29.586 25.395,29.586 25.908,30.099 v2(25.908,37.592) ; R11.2 40.397,5.258 40.397,5.546 40.201,5.742 40.201,9.585 41.025,10.41 42.541,10.41 U3.4
  Bottom Layer w0.3: v2(22.479,28.956) v2(24.638,28.956) ; v2(25.908,37.592) 37.656,37.592 38.372,36.876 39.177,36.876 40.887,36.876 43.191,34.572 43.191,16.956 41.021,14.786 v2(41.021,10.405)
R_HEAT1: P4.2 P5.1 R28.1 R29.1 R30.2 | length 39.5
  Top Layer w1.3: P4.2 4.737,15.075 4.737,11.646 P5.1 4.191,6.35 4.191,4.318 5.052,3.457 18.92,3.457 19.56,4.097 20.637,4.097 21.237,3.497 23.016,3.497 23.784,4.265 24.511,4.265 25.025,3.751 27.881,3.751 28.892,4.763
R_HEAT2: P5.2 Q3.2 R19.1 R21.1 R23.1 R26.1 R27.1 | length 33.9
  Top Layer w0.3: R19.1@20.193,14.224 R19.1 20.466,14.432 20.466,16.021 20.768,16.323 24.65,16.323 24.826,16.147 24.826,10.64 24.226,10.04 24.226,8.219 24.51,7.935 25.117,7.935 25.353,7.698 25.353,6.731 25.838,6.246 26.15,6.246 26.173,6.223 R26.1
  Top Layer w0.5: Q3.2@13.589,7.366 17.272,7.366 18.525,8.619 18.525,8.627 20.062,10.163 20.062,11.172 20.32,11.43
  Top Layer w1.3: 8.382,5.461 11.684,5.461 Q3.2@13.589,7.366
RTS: P2.5 Q1.2 R8.2 | length 21.4
  Top Layer w0.2: P2.5 42.168,23.626 42.168,24.545 43.141,25.518 43.141,26.492 42.494,27.139 41.58,27.139 40.479,26.038 40.479,20.31 41.602,19.187 42.708,19.187 43.299,18.596 43.299,16.456 43.043,16.2 43.043,15.927 R8.2 Q1.2@42.483,13.654
SCL: pad.P3 R4.2 R16.2 U1.35 U4.23 U6.10 | length 53.4
  Top Layer w0.2: U6.10 27.014,10.525 27.051,10.562 v2(27.051,11.176) 28.054,10.173 28.624,10.173 R16.2 29.845,6.824 29.918,6.751 29.918,4.948 31.547,3.319 34.856,3.319 ; v2@26.556,14.109 U4.23 ; 34.857,3.319 35.023,3.319 35.623,3.92 pad.P3 ; v2(37.592,35.306) U1.35 40.448,35.306 R4.2
  Bottom Layer w0.2: v2(27.051,11.176) 26.97,11.095 26.37,11.095 26.216,10.941 25.889,10.941 25.431,11.399 25.431,13.575 26.138,14.282 v2(26.264,14.282) 28.323,16.341 28.323,16.678 34.125,22.479 36.867,22.479 37.49,23.102 37.49,28.571 36.984,29.077 36.984,34.698 v2(37.592,35.306)
SDA: pad.P4 R3.2 R17.2 U1.32 U4.24 U6.9 | length 69.6
  Top Layer w0.2: U6.9 26.488,10.031 25.619,10.031 25.33,10.32 25.33,12.434 v2(26.166,13.27) 26.318,13.27 26.657,13.609 U4.24 27.337,12.52 R17.2 ; v2(31.77,12.183) 31.774,12.183 32.69,11.267 38.263,11.267 39.243,10.287 39.243,6.878 37.433,5.068 pad.P4 ; v2(37.719,31.496) U1.32 38.639,31.846 38.166,31.846 36.857,33.155 36.857,37.673 37.923,38.739 39.839,38.739 40.343,38.235 40.343,37.824 R3.2
  Bottom Layer w0.2: v2(31.77,12.183) 31.768,12.185 30.649,12.185 30.515,12.319 29.548,12.319 29.421,12.192 27.244,12.192 26.229,13.207 v2(26.166,13.27) 26.293,13.27 28.756,15.734 28.756,16.101 28.777,16.122 28.777,16.49 31.764,19.476 35.866,19.476 37.973,21.583 37.973,28.73 37.719,28.984 v2(37.719,31.496)
VBAT: F1.1 P1.1 P4.1 R14.1 | length 48.9
  Top Layer w0.3: P4.1 2.759,15.713 2.96,15.713 3.514,16.267 5.177,16.267 5.853,15.591 5.853,13.6 7.87,11.583 10.223,11.583 10.422,11.782 16.315,11.782 16.916,12.383 16.916,16.824 16.419,17.32 16.419,18.626 16.656,18.863 16.82,18.863 R14.1 R14.1@17.248,19.545
  Top Layer w1.3: P4.1 2.159,20.018 3.925,21.784 F1.1 3.925,33.262 P1.1@6.42,35.757
VIN: C7.1 C8.1 C9.1 C10.1 F1.2 U2.10 U2.11 U2.12 U2.13 | length 11.9
  Top Layer w0.6: F1.2 7.632,26.995 8.035,26.592 10.78,26.592 11.105,26.267 11.105,26.114 11.641,25.578 C10.1 C9.1 C8.1
  Top Layer w1.3: 6.477,23.495 6.604,23.622 6.604,25.561 7.632,26.589 F1.2@7.632,26.995
pads on no net: U1.4 U1.5 U1.6 U1.14 U1.15 U1.16 U1.17 U1.18 U1.19 U1.20 U1.21 U1.22 U1.25 U1.28 U1.31 U1.36 U2.14 U3.1 U3.2 U3.6 U3.7 U3.8 U4.2 U4.3 U4.4 U4.5 U4.6 U4.7 U4.14 U4.15 U4.16 U4.17 U4.19 U4.21 U4.22 U6.2
copper on no net:
  other v3: 6.223,0.381 45.847,7.366 45.847,35.179 6.223,41.021

## Polygon pours and split planes (outlines as drawn)
GND on Bottom Layer "GND_BOT" (solid, remove dead copper, pour order 1): 4.191,0.381 4.191,2.286 2.159,2.286 cw(c2.159,4.826) -0.381,4.826 -0.381,36.703 cw(c2.159,36.703) 2.159,39.243 4.191,39.243 4.191,41.656 cw(c5.588,41.656) 5.588,43.053 6.985,43.053 cw(c6.985,41.91) 8.128,41.91 8.128,39.243 41.402,39.243 cw(c41.402,36.703) 43.914,37.08 46.105,37.08 cw(c46.105,35.306) 47.879,35.306 47.879,34.925 cw(c46.228,34.925) 46.228,33.274 44.704,33.274 44.704,9.271 46.101,9.271 cw(c46.101,7.366) 48.006,7.366 cw(c45.974,7.366) 45.974,5.334 44.069,5.334 cw(c44.069,5.461) 43.942,5.461 43.942,4.826 cw(c41.402,4.826) 41.402,2.286 8.255,2.286 8.255,0.127 cw(c6.35,0.127) 6.35,-1.778 cw(c6.35,0.381)
GND on Top Layer "GND_TOP" (solid, remove dead copper, pour order 0): 4.191,0.381 4.191,2.286 2.159,2.286 cw(c2.159,4.826) -0.381,4.826 -0.381,36.703 cw(c2.159,36.703) 2.159,39.243 4.191,39.243 4.191,41.656 cw(c5.588,41.656) 5.588,43.053 6.985,43.053 cw(c6.985,41.91) 8.128,41.91 8.128,39.243 41.402,39.243 cw(c41.402,36.703) 43.914,37.08 46.105,37.08 cw(c46.105,35.306) 47.879,35.306 47.879,34.925 cw(c46.228,34.925) 46.228,33.274 44.704,33.274 44.704,9.271 46.101,9.271 cw(c46.101,7.366) 48.006,7.366 cw(c45.974,7.366) 45.974,5.334 44.069,5.334 cw(c44.069,5.461) 43.942,5.461 43.942,4.826 cw(c41.402,4.826) 41.402,2.286 8.255,2.286 8.255,0.127 cw(c6.35,0.127) 6.35,-1.778 cw(c6.35,0.381)

## Keep-outs
Keep-Out Layer:
  the board outline again, w0.3

## Other copper
Top Layer:
  rectangle net GND: 34.296,9.755 38.1,10.874
  rectangle net GND: 13.667,22.567 15.074,23.114
  rectangle net GND: 21.088,10.474 23.107,11.119
  rectangle net +3V3: 13.716,30.607 15.24,33.274
  rectangle net R_HEAT1: 28.067,3.114 29.564,5.516
  rectangle net NetR18_2: 23.47,11.583 24.297,15.763
  rectangle net R_HEAT2: 19.812,10.298 20.638,14.478
  region net NetR18_2: 24.06,7.531 24.06,5.753 24.949,5.753 24.949,7.531
  rectangle net +3V3: 15.501,24.398 17.173,25.114
  rectangle net +3V3: 16.698,21.717 17.656,26.071
  rectangle net NetL1_2: 15.5,25.436 16.028,26.035
  rectangle net NetL1_1: 12.7,25.436 13.228,26.035
  rectangle net VIN: 11.163,23.395 12.951,25.121
Bottom Layer:
  rectangle net GND: 32.134,14.859 33.576,16.193
  rectangle net GND: 33.02,13.716 33.147,14.478
  rectangle net GND: 38.227,37.592 39.878,38.227

## Silkscreen, mask and mechanical layers (free items; w line width, h text height)
Top Overlay:
  lines w0.2: 31.305,4.284 ccw(c31.941,4.284) 31.941,3.649 32.067,3.649 ccw(c32.067,4.284) 32.703,4.284 32.703,6.062 ccw(c32.067,6.062) 32.067,6.697 31.941,6.697 ccw(c31.941,6.062) 31.305,6.062 31.305,4.284 ; 33.084,4.318 ccw(c33.718,4.318) 33.718,3.683 33.846,3.683 ccw(c33.846,4.318) 34.48,4.318 34.48,6.096 ccw(c33.846,6.096) 33.846,6.731 33.718,6.731 ccw(c33.718,6.096) 33.084,6.096 33.084,4.318 ; 34.925,3.429 ccw(c35.56,3.429) 35.56,2.794 35.687,2.794 ccw(c35.687,3.429) 36.322,3.429 36.322,5.207 ccw(c35.687,5.207) 35.687,5.842 35.56,5.842 ccw(c35.56,5.207) 34.925,5.207 34.925,3.429 ; 36.735,3.429 ccw(c37.37,3.429) 37.37,2.794 37.497,2.794 ccw(c37.497,3.429) 38.132,3.429 38.132,5.207 ccw(c37.497,5.207) 37.497,5.842 37.37,5.842 ccw(c37.37,5.207) 36.735,5.207 36.735,3.429 ; 38.544,3.429 ccw(c39.179,3.429) 39.179,2.794 39.306,2.794 ccw(c39.306,3.429) 39.941,3.429 39.941,5.207 ccw(c39.306,5.207) 39.306,5.842 39.179,5.842 ccw(c39.179,5.207) 38.544,5.207 38.544,3.429
  text "SCL" at 35.634,6.276 h0.7 r90
  text "3V3" at 30.935,4.117 h0.7 r90
  text "GND" at 32.692,2.72 h0.7

## Dimensions
-0.127,39.497 to 43.561,41.656 on Mechanical 1
-0.127,39.497 to -0.762,3.175 on Mechanical 1